# Altium PCB Apalis-Smart-Vision-Baseboard.PcbDoc (part 2 of 6) (continued)
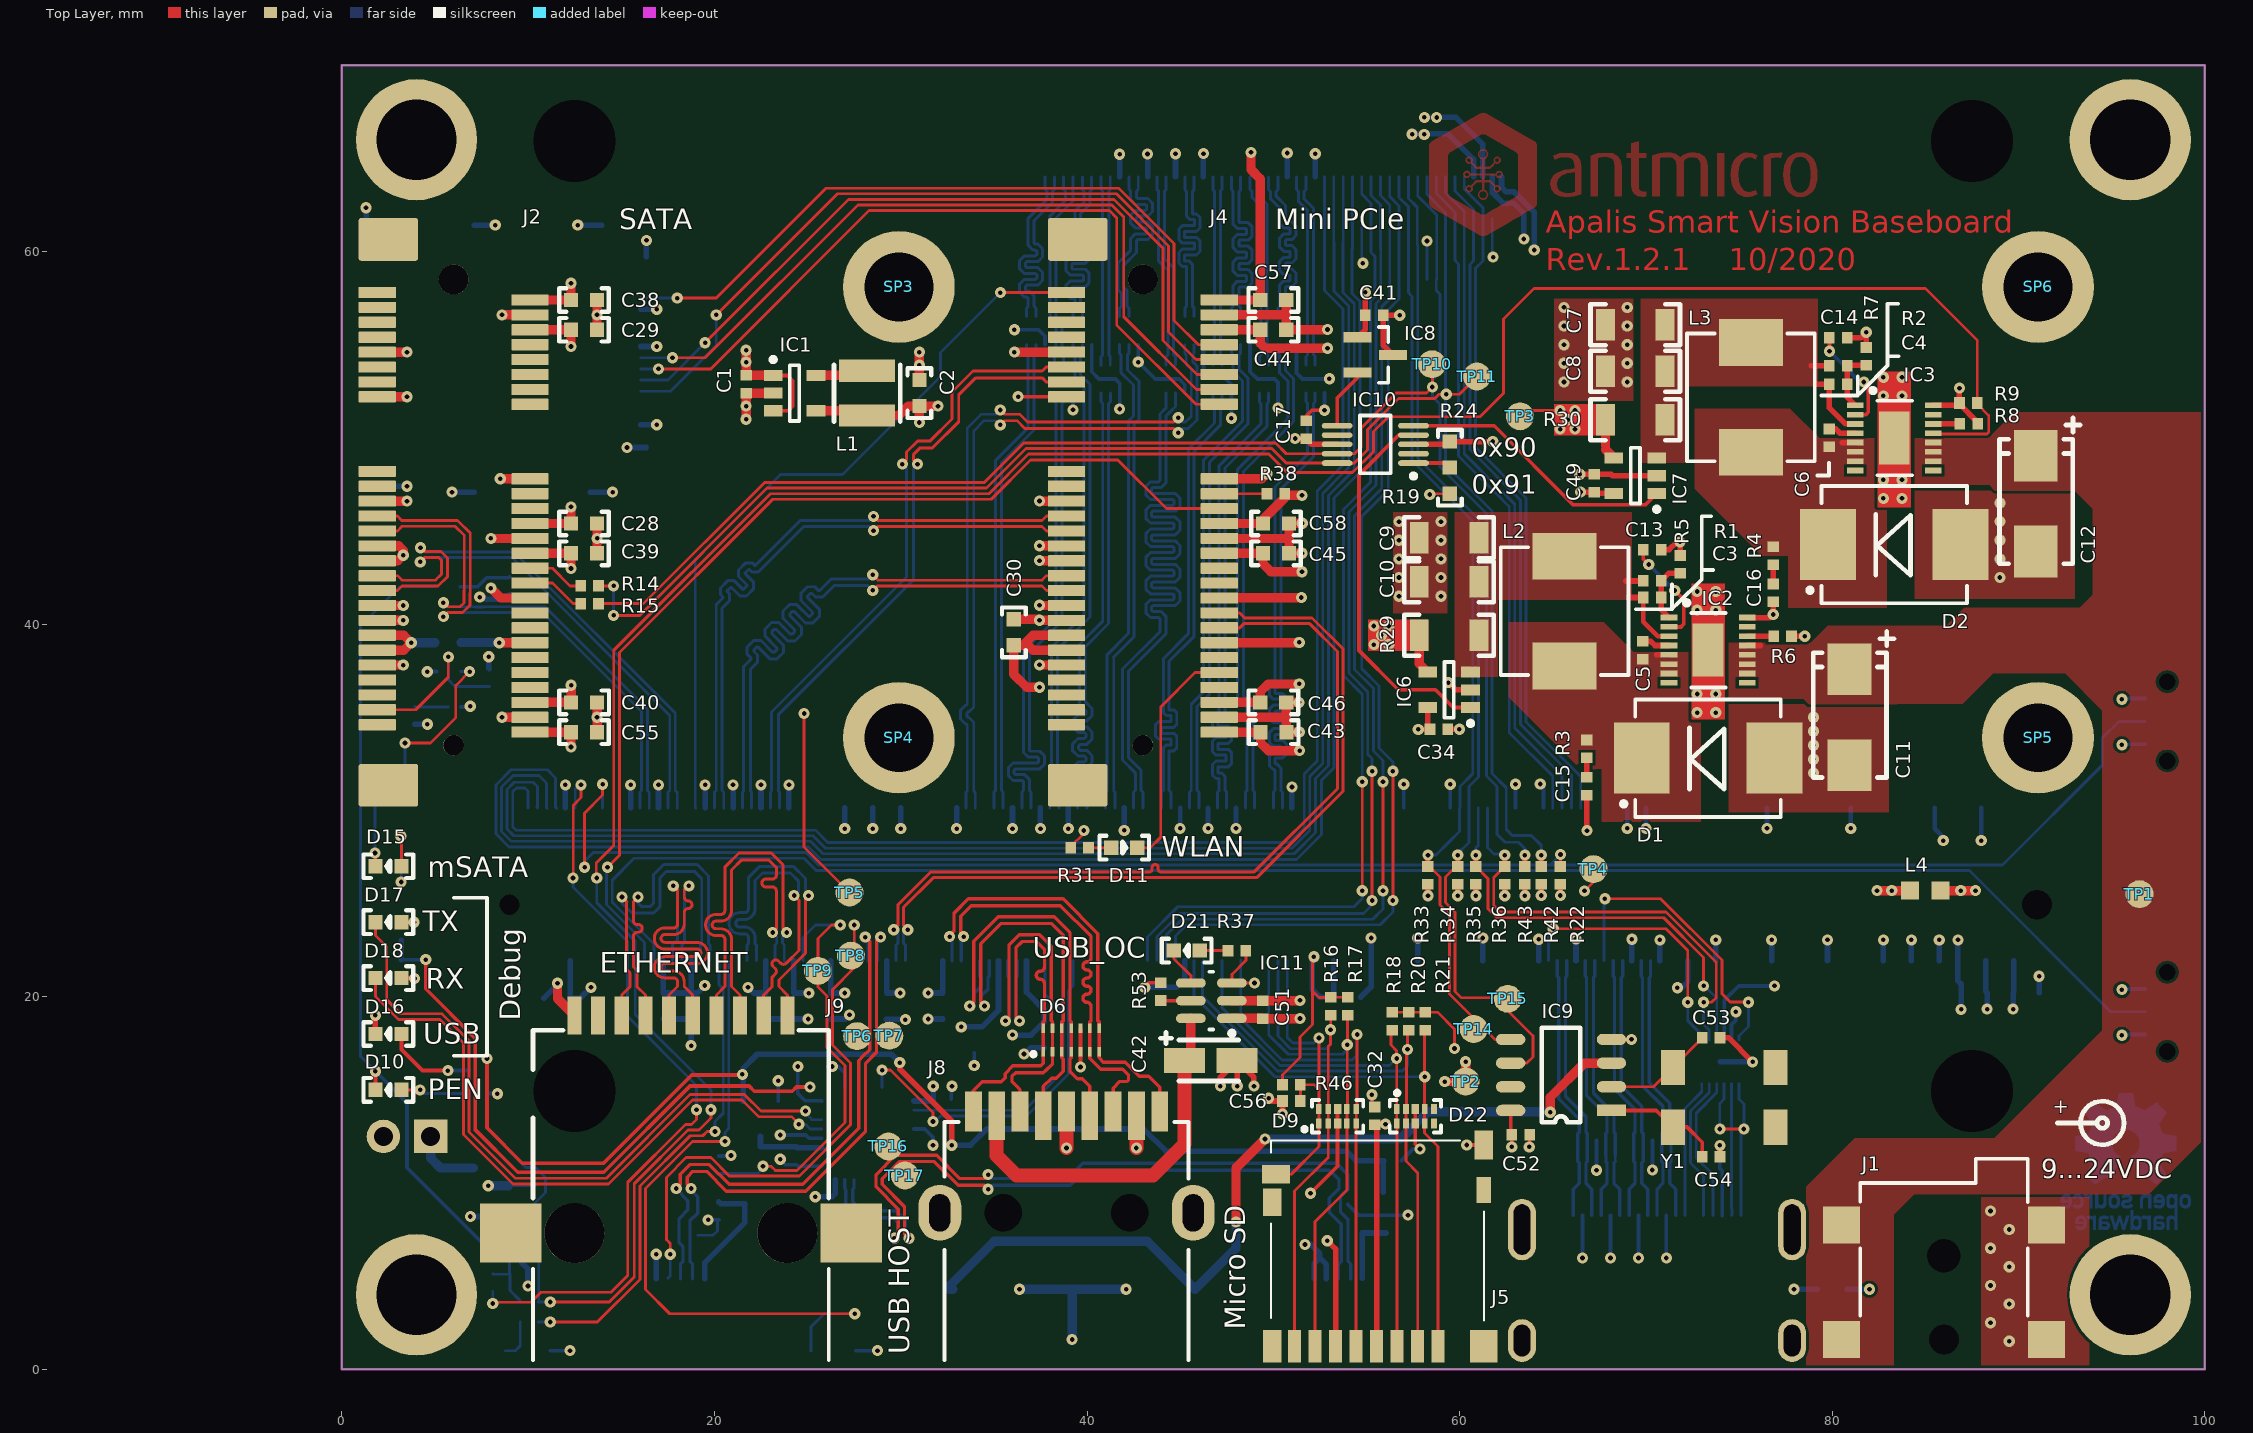
[diagram p0: Top Layer view]
## Nets (pads, with @x,y where several pads share a name; then routed paths per layer and width w, separated by ;. In a path a pad name is that pad's centre, name@x,y a point inside that pad or via, vN(x,y) a via of type N, cw(c..) or ccw(c..) an arc to the next point about the centre after c; other vN are vias at no path point) (continued)
  Bottom Layer w0.16: M1.34@18.25,21.936 18.25,22.77 18.387,22.907 18.387,25.707 v1(18.63,25.95)
ETH_MDI2_P: J9.6 M1.32 | length 17.7
  Top Layer w0.16: J9.6@17.565,18.99 17.565,20.09 18.02,20.545 18.02,20.805 ccw(c17.813,20.805) 17.813,21.012 17.337,21.012 cw(c17.337,21.579) 17.337,22.146 19.062,22.146 ccw(c19.062,22.353) 19.269,22.353 ccw(c19.062,22.353) 19.062,22.56 17.337,22.56 cw(c17.337,23.127) 17.337,23.694 17.813,23.694 ccw(c17.813,23.901) 18.02,23.901 18.02,25.755 17.825,25.95 v1(17.79,25.95)
  Bottom Layer w0.16: M1.32@17.75,21.936 17.75,22.779 18.027,23.056 18.027,25.747 17.825,25.95 v1(17.79,25.95)
ETH_MDI3_N: J9.7 M1.40 | length 17.9
  Top Layer w0.16: v1(15.9,25.35) 15.65,25.1 15.65,24.08 ccw(c15.857,24.08) 15.857,23.873 15.918,23.873 cw(c15.918,23.666) 16.125,23.666 cw(c15.918,23.666) 15.918,23.459 15.857,23.459 ccw(c15.857,23.252) 15.65,23.252 15.65,22.8 15.65,21.599 15.845,21.404 15.845,20.55 ; J9.7@16.295,18.99 16.295,20.09 15.845,20.54 ; 15.845,20.54 15.845,20.55 ; 15.845,20.54 15.84,20.545 15.845,20.55
  Bottom Layer w0.16: v1@15.84,25.08 16.07,24.85 16.57,24.85 16.72,25 16.72,26.529 16.825,26.635 17.281,27.09 19.072,27.09 19.68,26.482 19.68,22.84 19.75,22.77 M1.40@19.75,21.936
ETH_MDI3_P: J9.8 M1.38 | length 17.9
  Top Layer w0.16: J9.8@15.025,18.99 15.025,20.09 15.48,20.545 15.48,21.255 15.29,21.445 15.29,25.1 v1(15.04,25.35)
  Bottom Layer w0.16: v1@15.04,25.29 15.04,25.02 15.57,24.49 16.74,24.49 17.08,24.83 17.08,26.38 17.43,26.73 18.922,26.73 19.32,26.332 19.32,22.84 19.25,22.77 M1.38@19.25,21.936
FAN_START: M1.11 R12.1 | length 41.1
  Top Layer w0.15: v2(8.103,3.531) 8.172,3.6 10.16,3.6 10.695,4.135 14.451,4.135 15.35,5.034 15.35,10.04 18.362,13.052 ; v1@12.41,26.35 12.42,26.36 12.42,30.27 12.84,30.69 v1(12.84,31.369) ; 18.44,13.13 18.362,13.052 ; v1(19.04,13.931) 19.04,13.415 18.765,13.14 18.45,13.14 18.362,13.052
  Bottom Layer w0.15: R12.1@8.1,4.17 8.1,3.533 v2(8.103,3.531) ; v1(12.41,26.37) 12.41,25.888 15.33,22.968 15.33,18.95 19.04,15.24 v1(19.04,13.931) ; M1.11@12.5,30.136 12.525,30.161 12.525,31.155 v1@12.84,31.47
FTDI_3V3: C33.2 IC5.1 IC5.16 R44.2 R45.2 | length 37.3
  Top Layer w0.2: v1(4.5,21.99) 4.5,20.424 7.155,17.769 7.155,12.867 9.447,10.575 14.058,10.575 18.693,15.21 21.85,15.21 22.14,14.92 24.18,14.92 24.41,15.15 v1(25.13,15.15)
  Bottom Layer w0.2: R45.2@3.19,21.99 v1(4.5,21.99)
  Bottom Layer w0.3: R45.2@3.19,21.99 3.199,21.998 R44.2@3.199,23.04 ; v1(25.41,9.26) 25.42,9.27 26.33,9.27 26.49,9.43 IC5.16@26.49,10.175 ; IC5.1@30.715,14.4 31.65,14.4 C33.2@31.75,14.5 v1(31.75,15.19)
FTDI_PWR: C20.2 D3.3 IC5.19 | length 3.9
  Bottom Layer w0.3: D3.3@22.472,12.5 22.472,11.94 C20.2@24.4,11.94 24.44,11.9 IC5.19@25.765,11.9
GND: BAT1.- C1.1 C2.1 C7.1 C8.1 C9.1 C10.1 C11.2 C12.2 C13.1 C14.1 C15.1 C16.1 C17.2 C20.1 C21.1 C22.1 C23.1 C24.1 C25.1 C26.1 C27.1 C28.2 C29.2 C30.2 C31.2 C32.1 C33.1 C34.2 C35.1 C36.2 C37.1 C38.2 C39.2 C40.2 C41.2 C42.2 C43.2 C44.2 C45.2 C46.2 C47.1 C48.1 C49.2 C50.1 C51.1 C52.1 C53.1 C54.1 C55.2 C56.1 C57.2 C58.2 C59.2 C60.1 D1.A D2.A D5.3 D5.8 D6.5 D6.10 D7.3 D7.8 D8.4 D9.3 D9.8 D12.5 D12.10 D13.5 D13.10 D14.5 D14.10 D16.K D22.3 D22.8 D23.4 IC1.2 IC2.16 IC2.GND IC3.16 IC3.GND IC4.13 IC5.4 IC5.17 IC5.20 IC5.24 IC5.26 IC6.2 IC7.2 IC8.3 IC9.4 IC10.3 IC11.2 IC12.3 IC13.3 IC14.3 IC15.3 IC16.3 IC17.3 IC18.3 IC19.3 IC20.3 IC21.3 IC22.3 IC23.3 J1.2 J1.3 J2.4 J2.9 J2.15 J2.18 J2.21 J2.26 J2.27 J2.29 J2.34 J2.35 J2.37 J2.40 J2.43 J2.50 J3.C5 J3.CD J3.COM J3.SHIELD J4.4 J4.9 J4.15 J4.18 J4.21 J4.26 J4.27 J4.29 J4.34 J4.35 J4.37 J4.40 J4.43 J4.50 J5.6 J5.10 J6.9 J6.12 J6.15 J6.18 J6.27 J6.30 J7.17 J8.4 J8.7 J8.SHIELD J9.10 J10.4 J10.5 J11.2 J12.5 L4.1 L6.1 M1.9 M1.23 M1.29 M1.39 M1.45 M1.51 M1.57 M1.69 M1.75 M1.81 M1.93 M1.105 M1.111 M1.117 M1.129 M1.141 M1.142 M1.147 M1.153 M1.165 M1.182 M1.189 M1.192 M1.199 M1.206 M1.213 M1.218 M1.219 M1.226 M1.237 M1.238 M1.241 M1.244 M1.250 M1.256 M1.267 M1.268 M1.280 M1.285 M1.292 M1.298 Q1.1 Q1.4 Q3.1 Q3.4 R5.1 R6.1 R7.1 R8.1 R9.1 R24.1 R28.2 R53.1 RST.1 RST.3 TP2.1 USR.1 USR.3 | length 320.9
  Top Layer w0.15: v1(55.29,14.74) 55.3,14.73 C32.1@55.3,14.08
  Top Layer w0.2: v1(36.3,52.21) 36.31,52.2 J4.15@38.9,52.2 ; v1(39.65,16.225) D6.5@39.65,17.053 D6.10@39.65,18.303 ; v1(43.1,20.5) 43.355,20.755 R53.1@43.95,20.755 ; C17.2@51.76,50.91 51.76,51.16 52.075,51.475 v1(52.75,51.475) ; v1(52,9.45) 53.45,10.9 D9.3@53.45,13.2 D9.8@53.45,13.97 ; D22.8@57.625,13.97 D22.3@57.625,13.2 57.625,12.075 v1(57.875,11.825) ; v1(60.385,12.04) J5.10@61.305,12.04 ; v1@63.74,11.95 63.76,11.97 C52.1@63.76,12.58 ; IC9.4@68.15,17.705 69.225,17.705 v1(69.23,17.71)
  Top Layer w0.3: D16.K@1.802,18 v1(1.802,18.998) ; v1(47.16,15.2) 47.16,15.675 C42.2@48.06,16.575 ; v1(48.06,15.2) C42.2@48.06,16.575 ; v1(48.96,15.2) 48.96,15.675 C42.2@48.06,16.575 ; v1@49.9,14.4 C56.1@50.495,14.4 50.495,13.702 v1(50.497,13.7) ; v1(52.9,6.9) 53.345,6.455 J5.6@53.345,1.226 ; IC8.3@56.421,54.45 55.905,54.966 C41.2@55.905,56.575 v1(56.79,56.575) ; IC10.3@57.525,49.646 59.322,49.646 R24.1@59.475,49.799 v1(61.784,49.799) ; C34.2@59.37,34.35 59.98,34.35 v1(59.99,34.36) ; v1(59.39,36.86) 59.41,36.86 59.799,36.471 IC6.2@60.585,36.471 ; v1(66.452,48.048) C49.2@67.232,48.048 67.235,48.045 68.132,48.045 68.209,47.968 IC7.2@70.582,47.968 ; v1(66.835,28.915) C15.1@66.835,30.82 ; C13.1@70.815,44 71.25,44 71.665,44.415 v1(71.835,44.415) R5.1@71.835,43.68 ; v1(73.97,12.02) 73.98,12.01 C54.1@73.98,11.4 ; C53.1@73.98,17.8 74.43,17.8 v1(75.73,16.5) ; IC2.16@75.431,40.35 76.664,40.35 v1(76.832,40.518) C16.1@76.832,41.19 ; R6.1@77.815,39.35 v1(78.525,39.35) ; C14.1@80.812,55.368 81.532,55.368 v1(81.832,55.668) R7.1@81.832,54.848 ; IC3.16@85.427,51.745 86.708,51.745 R9.1@86.831,51.868 ; v1(86.831,52.669) R9.1@86.831,51.868 ; R8.1@87.812,50.745 87.812,50.828 86.831,51.809 R9.1@86.831,51.868
  Top Layer w0.5: J2.43@1.9,37.8 v1(3.3,37.8) ; J2.37@1.9,40.2 v1(3.3,40.2) ; J2.35@1.9,41 v1(3.3,41) ; J2.29@1.9,43.4 3,43.4 v1(3.3,43.7) 3.3,43.949 3.049,44.2 J2.27@1.9,44.2 ; J2.21@1.9,46.6 v1(3.5,46.6) ; J2.15@1.9,52.2 v1(3.5,52.2) ; J2.9@1.9,54.6 v1(3.5,54.6) ; v1(8,41.933) 8.533,41.4 J2.34@10.1,41.4 ; v1(8,44.6) J2.26@10.1,44.6 ; v1(8.45,39) J2.40@10.1,39 ; v1(8.5,47.8) J2.18@10.1,47.8 ; v1(8.6,35) J2.50@10.1,35 ; v1(8.6,56.6) J2.4@10.1,56.6 ; v1(11.575,20.725) 11.575,19.9 J9.10@12.485,18.99 ; C55.2@13.698,34.2 13.704,34.205 C40.2@13.704,35.8 ; C39.2@13.698,43.8 C28.2@13.698,45.4 ; C29.2@13.698,55.8 C38.2@13.698,57.4 ; v1(21.7,51) C1.1@21.7,52.395 21.705,52.4 IC1.2@23.15,52.4 ; C2.1@31,53.098 v1(31,54.6) ; C30.2@36.07,40.258 37.401,40.258 v1(37.45,40.21) 37.46,40.2 J4.37@38.9,40.2 ; v1(36.1,54.6) J4.9@38.9,54.6 ; v1(37.45,37.81) 37.46,37.8 J4.43@38.9,37.8 ; v1(37.45,41.01) 37.46,41 J4.35@38.9,41 ; v1(37.45,43.41) 37.46,43.4 J4.29@38.9,43.4 ; v1(37.45,44.21) 37.46,44.2 J4.27@38.9,44.2 ; v1(37.45,46.61) 37.46,46.6 J4.21@38.9,46.6 ; J4.50@47.1,35 50.688,35 50.698,35.01 ; J4.40@47.1,39 51.25,39 v1@51.27,39.02 ; J4.26@47.1,44.6 50.82,44.6 50.842,44.578 ; J4.18@47.1,47.8 49.38,47.8 v1(49.65,48.07) ; J4.4@47.1,56.6 50.599,56.6 50.698,56.5 ; J4.34@47.21,41.41 51.36,41.41 v1@51.38,41.43 ; IC11.2@47.775,19.785 49.42,19.785 C51.1@49.425,19.78 51.35,19.78 v1@51.37,19.8 ; C57.2@50.699,57.4 50.698,56.5 ; C58.2@50.842,45.4 50.842,44.578 ; C58.2@50.86,45.412 v1@51.54,45.412 ; v1(51.378,35.8) C46.2@50.698,35.8 50.698,35.01 ; v1(51.394,34.2) C43.2@50.714,34.2 50.698,34.216 50.698,35.01 ; v1@51.522,43.8 C45.2@50.842,43.8 50.842,44.578 ; v1(52.91,55.81) 52.9,55.8 C44.2@50.698,55.8 50.698,56.5 ; v1(59.207,15.443) TP2.1@60.325,15.443 v1(60.325,16.51) ; v1(82.407,25.693) L4.1@84.185,25.693
  Top Layer w0.75: v1(38.9,11.875) J8.7@38.9,13.845 ; v1(42.65,11.875) J8.4@42.65,13.62
  Bottom Layer w0.15: D23.4@19.1,7.2 19.93,7.2 20.16,7.43 20.16,7.94 C59.2@20.24,8.02 ; D12.5@54.75,61.75 D12.10@54.75,60.5 54.75,59.432 v1(54.81,59.372) ; D13.10@58.25,58.5 D13.5@58.25,59.75 v1(58.25,60.568) ; D14.5@61.75,61.75 D14.10@61.75,60.5 61.75,59.75 v1(61.8,59.7)
  Bottom Layer w0.2: v1(4.58,37.44) 4.59,37.45 Q3.1@5.08,37.45 ; Q3.4@6.38,35.55 6.85,35.55 v1(6.89,35.59) ; v1(19.66,8.02) C59.2@20.24,8.02 ; C60.1@20.24,11.45 20.866,11.45 v1(20.891,11.475) ; v1(23.53,11.27) 23.82,10.98 C20.1@24.4,10.98 24.48,10.9 IC5.17@25.765,10.9 ; v1@23.53,12.73 23.68,12.58 24.89,12.58 25.07,12.4 IC5.20@25.765,12.4 ; v1(24.48,16.25) 24.48,14.79 24.86,14.41 25.755,14.41 IC5.24@25.765,14.4 ; v1(26.32,16.25) 26.65,16.25 26.99,15.91 IC5.26@26.99,15.125 ; IC5.4@30.715,12.9 31.29,12.9 31.73,12.46 v1(31.73,12.03) ; C33.1@32.71,14.5 32.71,15.1 v1@32.75,15.14 ; v1(33.95,16.3) C35.1@33.95,16.982 ; v1(36.1,55.8) 37.4,55.8 37.75,55.45 IC18.3@37.75,55 ; v1(39.25,51.5) IC16.3@39.25,52.4 ; IC14.3@40.25,55 40.25,53.546 40.644,53.152 41.523,53.152 41.75,52.925 IC12.3@41.75,52.4 v1(41.75,51.55) ; IC20.3@42.75,55 v1(42.75,54.064) 43.662,53.152 44.948,53.152 45.25,52.85 IC22.3@45.25,52.4 ; IC13.3@46.25,55 46.25,53.49 46.51,53.23 47.37,53.23 47.75,52.85 IC21.3@47.75,52.4 v1(47.75,51.05) ; IC19.3@48.75,55 48.75,53.546 49.144,53.152 50.073,53.152 50.25,52.975 IC17.3@50.25,52.4 v1(50.25,51.6) ; IC15.3@51.25,55 51.25,53.48 51.57,53.16 53,53.16 v1(53.01,53.17) ; v1(52.75,51.475) IC23.3@52.75,52.4 ; D8.4@54,8.853 54.578,8.275 C36.2@54.773,8.275 v1(57.23,8.275) ; C37.1@56.88,11.2 57.505,11.825 v1(57.875,11.825) ; M1.189@57,30.136 v1(57,31.4) ; M1.199@59.5,30.136 v1(59.5,31.4) ; M1.213@63,30.136 v1(63,31.4) ; v1(64.33,31.42) 64.5,31.25 M1.219@64.5,30.136 ; v1@67.35,10.65 D5.8@67.35,11.515 D5.3@67.35,12.285 ; v1(70.35,10.7) D7.8@70.35,11.515 D7.3@70.35,12.285 ; v1(73.97,12.02) 73.97,10.78 74.1,10.65 J7.17@74.1,8.26 ; v1(95.55,17.93) 95.585,17.965 RST.1@96.79,17.965 ; v1(95.55,20.38) 95.585,20.415 RST.3@96.79,20.415 ; v1(95.55,33.52) 95.585,33.555 USR.1@96.79,33.555 ; v1(95.55,35.97) 95.585,36.005 USR.3@96.79,36.005
  Bottom Layer w0.254: v1(45,29.037) M1.141@45,30.136 ; v1(46.5,29.037) M1.147@46.5,30.136 ; v1(48,29.037) M1.153@48,30.136 ; v1(69,29.037) M1.237@69,30.136 ; v1(70,29.037) M1.241@70,30.136 ; v1(76.5,29.037) M1.267@76.5,30.136 ; v1(81,29.037) M1.285@81,30.136
  Bottom Layer w0.3: J3.SHIELD@1.3,47.4 v1(3.5,47.4) ; J3.SHIELD@1.3,61.175 v1(1.3,62.35) ; v1(5.915,47.085) J3.SHIELD@7.1,47.085 ; v1(6.9,8.2) Q1.1@8.35,8.2 ; J3.SHIELD@7.1,61.415 v1(8.235,61.415) ; Q1.4@9.65,6.3 9.65,5.72 9.985,5.385 R28.2@9.985,5.1 9.985,4.475 v1(9.99,4.47) ; C21.1@10.851,19.925 11.575,20.649 v1(11.575,20.725) ; M1.9@12,30.136 v1@12,31.5 ; v1(12.665,61.415) J3.SHIELD@13.96,61.415 ; J3.SHIELD@13.325,47.085 v1(14.535,47.085) ; v1(15.305,49.48) J3.SHIELD@16.35,49.48 ; M1.23@15.5,30.136 v1(15.5,31.369) ; J3.CD@16.04,50.7 v1(16.9,50.7) ; J3.COM@16.04,54.9 v1(16.9,54.9) ; J3.C5@16.04,56.9 v1(16.9,56.9) ; J3.SHIELD@16.35,59.71 v1(16.35,60.6) ; J12.5@16.875,4.863 v1(16.875,6.178) ; M1.29@17,30.136 v1(17,31.369) ; C22.1@17.25,18.801 C23.1@18.75,18.801 v1(18.75,17.375) ; M1.39@19.5,30.136 v1(19.5,31.369) ; M1.45@21,30.136 v1(21,31.369) ; M1.51@22.5,30.136 v1(22.5,31.369) ; C24.1@22.75,18.801 C25.1@24.25,18.801 25.029,18.801 v1(25.03,18.8) ; M1.57@24,30.136 v1(24,31.369) ; C26.1@26.25,18.801 27.031,18.801 v1(27.254,19.025) ; v1(27,29.02) M1.69@27,30.136 ; v1(28.5,29.02) M1.75@28.5,30.136 ; C27.1@29.23,18.79 30.232,18.79 v1(30.251,18.771) ; v1(30,29.02) M1.81@30,30.136 ; v1(31.47,18.803) v1(31.47,18.803) C48.1@32.25,18.801 ; v1(33,29.02) M1.93@33,30.136 ; v1(36,29.02) M1.105@36,30.136 ; v1(36.62,16.92) 36.63,16.91 36.64,16.91 36.98,17.25 C50.1@37.7,17.25 ; v1(37.5,29.02) M1.111@37.5,30.136 ; v1(39,29.02) M1.117@39,30.136 ; J6.9@41.75,64.01 v1(41.75,65.225) ; v1(42,28.928) M1.129@42,30.136 ; v1(43.1,20.5) 44.8,20.5 45.25,20.95 M1.142@45.25,21.936 ; J6.12@43.25,64.01 v1(43.25,65.239) ; J6.15@44.75,64.01 v1(44.75,65.25) ; J6.18@46.25,64.01 v1(46.25,65.254) ; J6.27@50.75,64.01 v1(50.75,65.291) ; M1.165@51,30.136 v1(51,31.252) ; v1(51.7,6.7) 52,6.7 52.5,6.2 52.5,5.975 ; J10.5@52.2,4.863 52.2,5.675 52.5,5.975 ; J6.30@52.25,64.01 v1(52.25,65.25) ; J10.4@52.85,4.863 52.85,5.625 52.5,5.975 ; C47.1@54.689,19.97 55.25,20.532 M1.182@55.25,21.936 v1(55.25,23.15) ; M1.192@57.75,21.936 v1(57.75,23.15) ; M1.206@61.25,21.936 v1(61.25,23.15) ; M1.218@64.25,21.936 v1(64.25,23.086) ; M1.226@66.25,21.936 v1(66.25,23.105) ; M1.238@69.25,21.936 v1(69.25,23.086) ; M1.244@70.75,21.936 v1(70.75,23.05) ; v1(71.69,20.48) 71.92,20.48 72.25,20.81 M1.250@72.25,21.936 ; M1.256@73.75,21.936 v1(73.75,23.05) ; IC4.13@74,16.5 v1(75.73,16.5) ; M1.268@76.75,21.936 v1(76.75,23.05) ; M1.280@79.75,21.936 v1(79.75,23.05) ; L6.1@80.815,4.3 v1(82,4.3) ; M1.292@82.75,21.936 v1(82.75,23.05) ; M1.298@84.25,21.936 v1(84.25,23.05)
  Bottom Layer w0.5: C31.2@6.398,39.012 8.438,39.012 v1(8.45,39) ; v1(36.375,4.3) BAT1.-@39.2,4.3 ; v1(39.2,1.6) BAT1.-@39.2,4.3 ; v1(42.1,4.3) BAT1.-@39.2,4.3
  other v1: 89.5,1.5 88.5,2.5 89.5,3.5 88.5,4.5 89.5,5.5 88.5,6.5 89.5,7.5 88.5,8.5 67.35,10.68 63.74,11.94 23.53,12.58 49.75,14.55 32.75,15.19 51.436,19.8 83.2,25.693 12,31.369 79,32 79,32.75 79,33.5 79,34.25 13.698,35 79,35 72.75,35.25 73.75,35.25 72.75,36.25 73.75,36.25 51.397,39.02 72.75,40.75 73.75,40.75 51.507,41.43 56.75,41.5 59,41.5 72.75,41.75 73.75,41.75 56.75,42.5 59,42.5 89,42.5 56.75,43.5 59,43.5 89,43.5 51.54,43.8 56.75,44.5 59,44.5 89,44.5 13.704,44.6 51.558,45.412 56.75,45.5 59,45.5 89,45.5 89,46.5 82.75,46.75 83.75,46.75 82.75,47.75 83.75,47.75 21.7,51.7 82.75,52.25 83.75,52.25 65.6,53 69,53 82.75,53.25 83.75,53.25 31,53.9 65.6,54 69,54 65.6,55 69,55 65.6,56 69,56 13.698,56.6 65.6,57 69,57
GPIO1: D12.14 J6.31 M1.1 | length 83.2
  Bottom Layer w0.15: M1.1@10,30.136 10,31.04 9.83,31.21 9.38,31.21 9.17,31 9.17,29.12 9.35,28.94 25.417,28.94 26.086,28.271 50.874,28.271 51.66,29.057 51.66,31.961 51.939,32.241 ; D12.14@52.75,60.5 D12.14@52.75,61.75 J6.31@52.75,64.01
  Bottom Layer w0.152: 51.939,32.241 52.357,32.658 52.357,47.15 53.744,48.537 53.744,56.906 52.75,57.9 D12.14@52.75,60.5
GPIO2: D12.13 J6.32 M1.3 | length 85.4
  Bottom Layer w0.15: M1.3@10.47,30.166 M1.3@10.5,30.136 10.5,31.28 10.27,31.51 9.256,31.51 8.87,31.124 8.87,28.996 9.226,28.64 25.293,28.64 25.962,27.971 50.998,27.971 51.96,28.933 51.96,31.835 52.658,32.533 52.658,47.021 53.818,48.182 53.818,48.184 ; D12.13@53.25,60.5 D12.13@53.25,61.75 J6.32@53.25,64.01
  Bottom Layer w0.152: D12.13@53.25,60.5 53.25,57.865 54.046,57.068 54.046,48.412 53.818,48.184
GPIO3: D12.12 J6.33 M1.5 | length 87.6
  Bottom Layer w0.15: M1.5@11.025,30.111 M1.5@11,30.136 10.99,30.146 10.99,31.47 10.58,31.88 9.201,31.88 8.57,31.249 8.57,28.871 9.101,28.34 25.169,28.34 25.838,27.671 51.122,27.671 52.26,28.809 52.26,31.711 52.959,32.41 52.959,36.429 ; D12.12@53.75,60.5 D12.12@53.75,61.75 J6.33@53.75,64.01
  Bottom Layer w0.152: 52.959,36.429 52.959,46.897 54.349,48.286 54.349,57.194 53.75,57.792 D12.12@53.75,60.5
GPIO4: D12.11 J6.34 M1.7 | length 89.8
  Bottom Layer w0.15: M1.7@11.525,30.111 M1.7@11.5,30.136 11.475,30.161 11.475,31.745 11.04,32.18 9.077,32.18 8.27,31.373 8.27,28.747 8.977,28.04 25.044,28.04 25.713,27.371 51.246,27.371 52.337,28.462 ; D12.11@54.25,60.5 D12.11@54.25,61.75 J6.34@54.25,64.01
  Bottom Layer w0.152: 52.338,28.461 52.59,28.713 52.59,31.615 53.261,32.286 53.261,46.771 54.651,48.161 54.651,57.319 54.224,57.746 54.224,60.124 54.25,60.15 D12.11@54.25,60.5
GPIO6: M1.13
GPIO7: M1.15
HDMI_CEC: IC4.1 M1.220 | length 14.6
  Top Layer w0.15: v1(65.025,23.65) 71.07,23.65 72.25,22.47 v1(72.25,19.7)
  Bottom Layer w0.15: M1.220@64.775,21.961 64.775,23.4 v1(65.025,23.65) ; v1(72.25,19.7) 72.25,18.708 73,17.958 IC4.1@73,17.675
HDMI_HPD: IC4.6 M1.232 | length 16.6
  Top Layer w0.15: v1(67.8,25.26) 70.789,25.26 74.08,21.969 74.08,20.16 74.525,19.715 75.485,19.715 v1(75.5,19.7)
  Bottom Layer w0.15: M1.232@67.75,21.936 67.75,25.21 v1(67.8,25.26) ; IC4.6@75,17.675 75,17.9 75.5,18.4 v1(75.5,19.7)
HDMI_PWR: IC4.8 J7.18 | length 7.1
  Bottom Layer w0.15: J7.18@74.6,8.26 74.625,8.285 74.625,8.63 74.6,8.655 74.6,10.258 IC4.8@74.6,15.325
HDMI_TXC_N: D7.5 J7.12 M1.242 | length 14.3
  Bottom Layer w0.18: M1.242@70.25,21.936 70.25,21.09 70.185,21.025 70.185,15.386 71.285,14.286 71.285,12.725 71.35,12.66 D7.5@71.35,12.285 D7.5@71.35,11.515 71.35,11.15 71.285,11.085 71.285,9.975 71.6,9.66 J7.12@71.6,8.26
HDMI_TXC_P: D7.4 J7.10 M1.240 | length 14.3
  Bottom Layer w0.18: M1.240@69.75,21.936 69.75,21.09 69.815,21.025 69.815,15.232 70.915,14.132 70.915,12.725 70.85,12.66 D7.4@70.85,12.285 D7.4@70.85,11.515 70.85,11.15 70.915,11.085 70.915,9.975 70.6,9.66 J7.10@70.6,8.26
HDMI_TXD0_N: D7.2 J7.9 M1.236 | length 14.3
  Bottom Layer w0.18: M1.236@68.75,21.936 68.75,21.09 68.685,21.025 68.685,15.208 69.785,14.108 69.785,12.725 69.85,12.66 D7.2@69.85,12.285 D7.2@69.85,11.515 69.85,11.15 69.785,11.085 69.785,9.975 70.1,9.66 J7.9@70.1,8.26
HDMI_TXD0_P: D7.1 J7.7 M1.234 | length 14.3
  Bottom Layer w0.18: M1.234@68.25,21.936 68.25,21.09 68.315,21.025 68.315,15.055 69.415,13.955 69.415,12.725 69.35,12.66 D7.1@69.35,12.285 D7.1@69.35,11.515 69.35,11.15 69.415,11.085 69.415,9.975 69.1,9.66 J7.7@69.1,8.26
HDMI_TXD1_N: D5.5 J7.6 M1.230 | length 14.3
  Bottom Layer w0.15: 68.35,11.153 D5.5@68.35,11.515
  Bottom Layer w0.18: M1.230@67.25,21.936 67.25,21.09 67.185,21.025 67.185,14.83 68.285,13.73 68.285,12.725 68.35,12.66 D5.5@68.35,12.285 D5.5@68.35,11.515 ; 68.35,11.153 68.285,11.088 68.285,9.975 68.6,9.66 J7.6@68.6,8.26
HDMI_TXD1_P: D5.4 J7.4 M1.228 | length 14.3
  Bottom Layer w0.152: 67.85,11.153 D5.4@67.85,11.515
  Bottom Layer w0.18: M1.228@66.75,21.936 66.75,21.09 66.815,21.025 66.815,14.677 67.915,13.577 67.915,12.725 67.85,12.66 D5.4@67.85,12.285 D5.4@67.85,11.515 ; J7.4@67.6,8.26 67.6,9.66 67.915,9.975 67.915,11.088 67.85,11.153
HDMI_TXD2_N: D5.2 J7.3 M1.224 | length 14.3
  Bottom Layer w0.18: M1.224@65.75,21.936 65.75,21.09 65.685,21.025 65.685,14.663 66.785,13.563 66.785,12.725 66.85,12.66 D5.2@66.85,12.285 D5.2@66.85,11.515 66.85,11.15 66.785,11.085 66.785,9.975 67.1,9.66 J7.3@67.1,8.26
HDMI_TXD2_P: D5.1 J7.1 M1.222 | length 14.3
  Bottom Layer w0.18: M1.222@65.25,21.936 65.25,21.09 65.315,21.025 65.315,14.51 66.415,13.41 66.415,12.725 66.35,12.66 D5.1@66.35,12.285 D5.1@66.35,11.515 66.35,11.15 66.415,11.085 66.415,9.975 66.1,9.66 J7.1@66.1,8.26
HPD_OUT: IC4.7 IC4.9 J7.19 | length 10.9
  Top Layer w0.15: v1@74.02,12.9 v1(75.26,12.9)
  Bottom Layer w0.15: v1(73.97,12.9) 73.97,14.27 74.2,14.5 IC4.9@74.2,15.325 ; IC4.7@75,15.325 75,14.5 75.26,14.24 v1(75.26,12.9) ; J7.19@75.1,8.26 v1@75.1,12.9
I2C1_SCL: D13.8 IC10.10 J6.42 M1.211 R14.1 R42.1 TP11.1 | length 95.1
  Top Layer w0.152: R14.1@13.78,42.05 v1(14.59,42.05) ; v1@14.88,40.47 15.991,40.47 22.825,47.304 34.608,47.304 36.732,49.428 49.915,49.428 50.697,48.646 IC10.10@53.425,48.646 54.346,48.646 55.05,49.35 55.05,50.432 56.728,52.11 58.666,52.11 58.896,52.34 v1(59.28,52.34) 59.985,52.34 TP11.1@60.935,53.289
  Top Layer w0.3: R42.1@64.38,27 v1@64.38,27.61
  Bottom Layer w0.152: v1(14.59,40.47) v1(14.59,42.05) ; J6.42@58.25,64.01 58.25,63.07 59.25,62.07 D13.8@59.25,59.75 D13.8@59.25,58.5 59.25,48.558 61.742,46.065 61.742,31.975 62.5,31.218 M1.211@62.5,30.136 62.5,28.99 62.83,28.66 63.85,28.66 64.38,28.13 v1@64.38,27.71
  other v1: 64.38,27.6
I2C1_SDA: D13.9 IC10.9 J6.41 M1.209 R15.1 R43.1 TP10.1 | length 92.1
  Top Layer w0.152: R15.1@13.78,41.1 16.193,41.1 22.699,47.606 34.482,47.606 36.606,49.73 50.11,49.73 50.694,49.146 IC10.9@53.425,49.146 54.366,49.146 54.72,49.5 54.72,50.53 56.602,52.412 58.222,52.412 v1(58.54,52.73) 58.54,53.931 TP10.1@58.522,53.95
  Top Layer w0.3: R43.1@63.506,26.99 v1(63.506,27.6)
  Bottom Layer w0.15: M1.209@62,30.136 62,28.72 62.43,28.29 63.16,28.29 63.506,27.944 v1(63.506,27.6) ; v1@63.506,27.375 v1@63.506,27.459
  Bottom Layer w0.152: J6.41@57.75,64.01 57.75,62.98 58.776,61.954 D13.9@58.776,58.526 ; D13.9@58.75,58.5 58.75,57.9 58.948,57.702 58.948,53.528 58.54,53.12 v1(58.54,52.73) 58.54,52.21 58.948,51.802 58.948,48.432 59.135,48.245 61.44,45.94 61.44,31.85 62,31.29 M1.209@62,30.136
I2C2_SCL: IC4.2 M1.207 R36.1 | length 24.2
  Top Layer w0.15: R36.1@62.423,26.99 61.83,26.397 61.83,24.89 62.18,24.54 71.084,24.54 73.78,21.844 73.78,19.95 73.53,19.7 v1(73.1,19.7) ; R36.1@62.423,27.003 R36.1@62.423,27.05
  Top Layer w0.3: R36.1@62.423,27.05 v1(62.423,27.6) v1@62.423,27.66
  Bottom Layer w0.15: M1.207@61.5,30.136 61.5,28 61.84,27.66 v1@62.423,27.66 ; v1(73.1,19.7) 73.1,18.5 73.4,18.2 IC4.2@73.4,17.675
I2C2_SDA: IC4.3 M1.205 R35.1 | length 23.2
  Top Layer w0.15: R35.1@60.872,26.99 61.53,26.332 61.53,24.72 62.01,24.24 70.96,24.24 73.1,22.1 v1(73.1,20.58)
  Top Layer w0.3: R35.1@60.872,27.08 v1(60.872,27.6) v1@60.872,27.69
  Bottom Layer w0.15: v1@60.81,27.437 v1@60.872,27.375 ; v1(60.872,27.6) 60.872,27.992 61,28.12 M1.205@61,30.136 ; v1@73.15,20.58 73.8,19.93 IC4.3@73.8,17.675
I2C3_SCL: D13.11 IC9.6 J6.40 M1.203 R34.1 TP15.1 | length 55.1
  Top Layer w0.15: 59.76,20.4 59.76,24.54 59.25,25.05 59.25,26.416 R34.1@59.904,27.07 ; 59.76,21.641 59.76,20.274 60.095,19.939 61.9,19.939 63.94,17.899 63.94,16.77 63.605,16.435 IC9.6@62.74,16.435
  Top Layer w0.3: R34.1@59.904,27.07 v1@59.904,27.68
  Bottom Layer w0.15: J6.40@57.25,64.01 57.25,62.85 57.725,62.375 57.725,60.35 57.75,60.325 D13.11@57.75,59.75 D13.11@57.75,58.5 57.75,48.909 61.011,45.648 61.011,31.801 60.5,31.29 M1.203@60.5,30.136 60.5,28.276 v1@59.904,27.68
  other v1: 59.904,27.6
I2C3_SDA: D13.12 IC9.5 J6.39 M1.201 R33.1 TP14.1 | length 51.6
  Top Layer w0.15: R33.1@58.3,27.07 58.95,26.42 58.95,24.926 59.46,24.416 59.46,20.15 61.905,17.705 IC9.5@62.74,17.705
  Top Layer w0.3: R33.1@58.3,27.07 v1(58.3,27.6) v1@58.3,27.68
  Bottom Layer w0.15: J6.39@56.75,64.01 56.75,62.9 57.25,62.4 D13.12@57.25,59.75 D13.12@57.25,58.5 57.25,57.79 57.45,57.59 57.45,48.784 60.102,46.132 ; v1(58.3,27.6) 58.73,27.6 59.42,28.29
  Bottom Layer w0.152: 59.42,28.29 60,28.87 M1.201@60,30.136 60.026,30.162 60.026,31.286 60.71,31.97 60.71,45.523 60.101,46.131
I_SENSE_3V3: IC6.1 IC10.4 | length 20.5
  Top Layer w0.2: IC10.4@57.525,50.146 56.735,50.146 54.6,48.011 54.6,38.585 56.705,36.48 58.7,36.48 59.659,35.521 IC6.1@60.585,35.521
I_SENSE_5V0: IC7.1 IC10.5 | length 15.1
  Top Layer w0.2: IC10.5@57.525,50.646 61.854,50.646 66.1,46.4 69.964,46.4 IC7.1@70.582,47.018
NetBAT1_+: BAT1.+ IC9.3 | length 46
  Top Layer w0.5: v1(48,7.9) 48,10.81 v1(49.55,12.36) ; v1(64.87,13.8) 64.87,14.605 66.7,16.435 IC9.3@68.15,16.435
  Bottom Layer w0.5: BAT1.+@32.8,4.3 BAT1.+@32.6,4.3 32.6,4.45 35.02,6.87 43.23,6.87 BAT1.+@45.8,4.3 48,6.5 v1(48,7.9) ; v1(49.55,12.36) 56.83,12.36 58.29,13.82 64.85,13.82 v1(64.87,13.8)
NetC3_2: C3.2 IC2.1 R1.2 R5.2 | length 3.3
  Top Layer w0.3: IC2.1@71.24,40.35 70.815,40.775 C3.2@70.815,41.427 R1.2@70.815,42.316 71.219,42.72 R5.2@71.835,42.72
NetC4_2: C4.2 IC3.1 R2.2 R7.2 | length 3.3
  Top Layer w0.3: IC3.1@81.236,51.745 80.812,52.17 C4.2@80.812,52.868 R2.2@80.812,53.868 80.832,53.888 R7.2@81.832,53.888
NetC5_1: C5.1 D1.C IC2.SW L2.1 R3.2 | length 0.6
  Top Layer w0.3: 70.591,38.35 IC2.SW@71.24,38.35
NetC5_2: C5.2 IC2.4 | length 1.5
  Top Layer w0.3: C5.2@69.835,39.08 70.255,39.08 70.485,38.85 IC2.4@71.24,38.85
NetC6_1: C6.1 D2.C IC3.SW L3.1 R4.2 | length 0.7
  Top Layer w0.3: 80.529,49.745 IC3.SW@81.236,49.745
NetC6_2: C6.2 IC3.4 | length 1.5
  Top Layer w0.3: C6.2@79.832,50.475 80.196,50.475 80.426,50.245 IC3.4@81.236,50.245
NetC13_2: C13.2 IC2.2 | length 5.8
  Top Layer w0.2: C13.2@69.855,44 69.855,43.497 v1(70.152,43.2) ; IC2.2@71.24,39.85 71.885,39.85 72.035,40 72.035,41.317 v1(71.552,41.8)
  Bottom Layer w0.2: v1(70.152,43.2) v1(71.552,41.8)
NetC14_2: C14.2 IC3.2 | length 5.7
  Top Layer w0.2: v1(79.852,54.648) C14.2@79.852,55.368 ; IC3.2@81.236,51.245 81.809,51.245 81.932,51.368 81.932,52.768 v1(81.7,53)
  Bottom Layer w0.2: v1(79.852,54.648) 81.5,53 v1(81.7,53)
NetC15_2: C15.2 R3.1 | length 1
  Top Layer w0.3: C15.2@66.835,31.78 R3.1@66.835,32.82
NetC16_2: C16.2 R4.1 | length 1
  Top Layer w0.3: C16.2@76.832,42.15 R4.1@76.832,43.19
NetC36_1: C36.1 J10.1 L5.2 | length 3.7
  Bottom Layer w0.3: J10.1@54.773,4.89 C36.1@54.773,7.315 L5.2@56.047,7.315
NetC53_2: C53.2 IC9.2 Y1.2 | length 6
  Top Layer w0.15: IC9.2@68.15,15.165 70.415,15.165 Y1.2@71.45,16.2 73.02,17.77 C53.2@73.02,17.8
NetC54_2: C54.2 IC9.1 Y1.1 | length 6.4
  Top Layer w0.2: IC9.1@68.15,13.895 70.555,13.895 Y1.1@71.45,13 72.21,13 73.02,12.19 C54.2@73.02,11.4
NetC59_1: C59.1 J12.1 L9.2 | length 6.3
  Bottom Layer w0.3: J12.1@19.475,4.863 19.475,5.715 21.62,7.86 L9.2@21.62,8.875 20.345,8.875 C59.1@20.24,8.98
NetD4_A: D4.A R41.1 | length 2.9
  Bottom Layer w0.2: D4.A@6.369,42 7.289,42 7.772,42.483 8.953,42.483 R41.1@9,42.53
NetD4_K: D4.K D10.K Q1.6 | length 42.7
  Top Layer w0.2: v1(1.8,16) 1.802,15.998 D10.K@1.802,15
  Bottom Layer w0.15: v1(1.8,16) 1,16.8 1,39.908 3.092,42 D4.K@4.972,42
  Bottom Layer w0.2: v1(1.8,16) 3.5,14.3 3.5,10.822 8.022,6.3 Q1.6@8.35,6.3
NetD10_A: D10.A R11.1 | length 3.7
  Top Layer w0.152: D10.A@3.199,15 v1(4.2,15)
  Bottom Layer w0.152: v1(4.2,15) 4.4,14.8 R11.1@6.82,14.8
NetD11_A: D11.A R31.1 | length 1.2
  Top Layer w0.15: R31.1@40.08,28 D11.A@41.301,28
NetD11_K: D11.K J4.44 | length 12.4
  Top Layer w0.15: D11.K@42.698,28 43.4,28 43.96,28.56 43.96,35.56 45.8,37.4 J4.44@47.1,37.4
NetD15_A: D15.A R32.1 | length 2.3
  Top Layer w0.15: v1(3.16,28.62) 3.199,28.581 D15.A@3.199,27
  Bottom Layer w0.15: v1(3.16,28.62) 3.19,28.59 R32.1@3.19,27.98
NetD15_K: D15.K Q3.3 | length 13.8
  Top Layer w0.15: v1(1.78,27.71) 1.802,27.688 D15.K@1.802,27 ; v1(3.39,33.619) 4.759,33.619 6.12,34.98 6.12,36.71 v1(6.86,37.45)
  Bottom Layer w0.15: v1(1.78,27.71) 1.78,30.83 3.39,32.44 v1(3.39,33.619) ; Q3.3@6.38,37.45 v1(6.86,37.45)
NetD16_A: D16.A R13.1 | length 5.1
  Top Layer w0.2: D16.A@3.199,18 3.199,17.161 4.327,16.033 v1(5.692,16.033)
  Bottom Layer w0.2: v1@5.575,16.15 v1(5.692,16.033) R13.1@6.82,16.033
NetD17_A: D17.A R44.1 | length 1.4
  Top Layer w0.2: D17.A@3.199,24 v1(3.874,24)
  Bottom Layer w0.2: R44.1@3.21,24.05 3.824,24.05 v1(3.874,24)
NetD17_K: D17.K IC5.22 | length 37.1
  Top Layer w0.15: D17.K@1.802,24 1.802,23.279 2.408,22.673 2.408,19.837 3.164,19.08 5.384,19.08 6.83,17.634 6.83,12.732 9.312,10.25 14.192,10.25 18.698,14.756 21.604,14.756 22.5,13.86 v1(24.89,13.86)
  Bottom Layer w0.15: v1(24.89,13.86) 24.89,13.74 25.23,13.4 IC5.22@25.765,13.4
NetD18_A: D18.A R45.1 | length 1.4
  Top Layer w0.2: D18.A@3.199,21 3.878,21 v1(3.9,20.98) v1(3.9,20.98)
  Bottom Layer w0.2: R45.1@3.19,21.03 3.85,21.03 v1(3.9,20.98)
NetD18_K: D18.K IC5.21 | length 34.5
  Top Layer w0.15: D18.K@1.802,21 1.802,20.018 3.04,18.78 5.26,18.78 6.53,17.51 6.53,12.608 9.188,9.95 14.317,9.95 18.823,14.456 21.48,14.456 22.376,13.56 24.129,13.56 v1(24.535,13.154)
  Bottom Layer w0.15: v1(24.535,13.154) 24.885,13.154 25.139,12.9 IC5.21@25.765,12.9
NetD19_K: D19.K R26.1 | length 2.3
  Bottom Layer w0.15: D19.K@25.185,1 25.185,2.28 R26.1@25.905,3
NetD20_K: D20.K R27.1 | length 2.2
  Bottom Layer w0.15: D20.K@8.785,1 9.32,1 9.58,1.26 R27.1@9.58,2.54
NetD21_A: D21.A R37.1 | length 1.5
  Top Layer w0.15: D21.A@46.049,22.475 R37.1@47.57,22.475
NetD21_K: D21.K IC11.4 | length 2.1
  Top Layer w0.15: D21.K@44.652,22.475 44.652,22.048 45.575,21.125 IC11.4@45.575,20.735
NetIC1_6: IC1.6 L1.1 | length 2.9
  Top Layer w0.5: IC1.6@25.45,53.35 27.95,53.35 L1.1@28.2,53.6
NetIC2_14: IC2.14 R6.2 | length 1.4
  Top Layer w0.3: IC2.14@75.431,39.35 R6.2@76.855,39.35
NetIC3_14: IC3.14 R8.2 | length 1.4
  Top Layer w0.3: IC3.14@85.427,50.745 R8.2@86.852,50.745
NetIC11_5: IC11.5 R53.2 | length 1.6
  Top Layer w0.2: R53.2@43.95,19.795 43.96,19.785 IC11.5@45.575,19.785